# Allegro board LAY-95869_A.brd (continued)
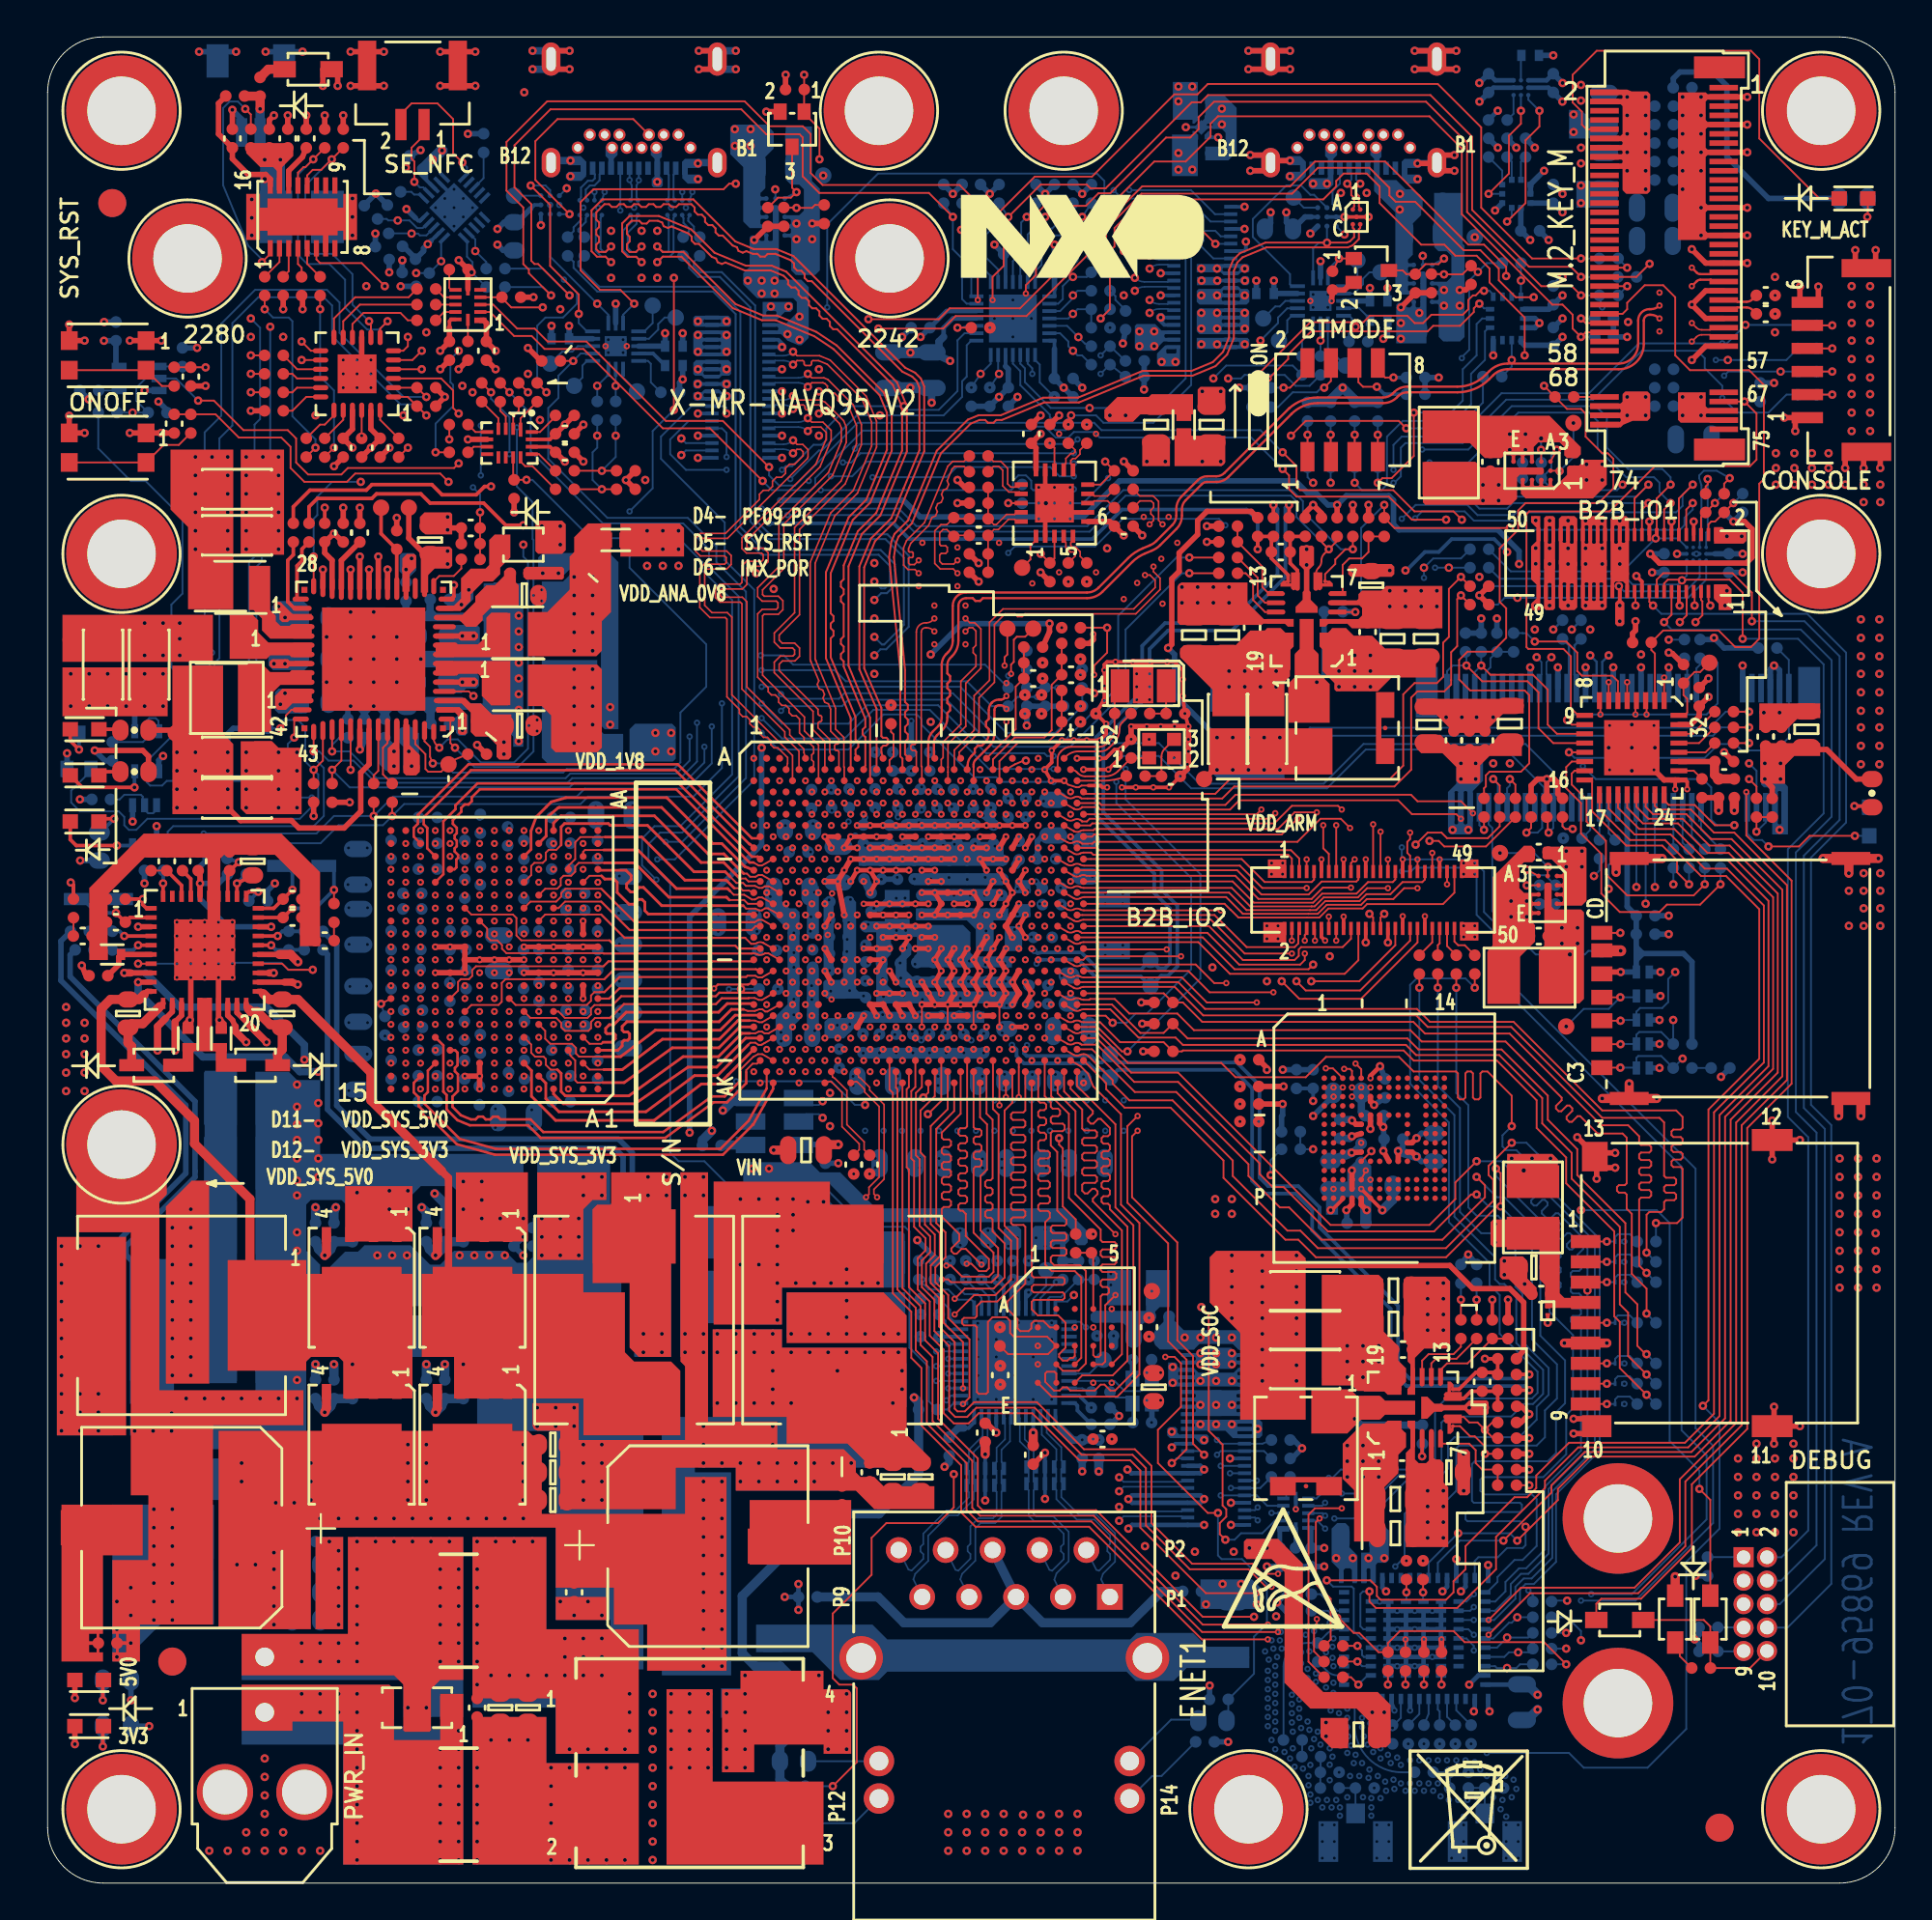
[diagram p0: board, top side]
## Routing (per net, layer and track width the routed paths; a pad name or vN(x,y) marks a point on that pad's centre or on a via; arc(x,y) is an arc through that point) (continued)
SD2_CLK: length 47.6
  TOP w0.102: U12.AB48 55.2,47.89 arc(55.37,47.84) 55.55,47.89 55.55,47.89 arc(55.72,47.94) 55.9,47.89 arc(55.98,47.86) 56.07,47.84 56.38,47.84 56.43,47.89 57.76,47.89 58.55,47.1 61.15,47.1 62.05,46.2 73.76,46.2 74.38,45.58 78.92,45.58 81.95,42.55 81.95,42.4 81.65,42.1 81.65,41.95 81.79,41.81 81.93,41.81 82.24,42.12 82.38,42.12 82.53,41.97 82.53,41.83 82.22,41.52 82.22,41.38 82.37,41.23 82.51,41.23 82.82,41.54 82.96,41.54 83.9,40.6 85.25,40.6 85.47,40.38 85.47,37.91 85.37,37.8 85.05,37.8 84.95,37.7 84.95,37.5 85.05,37.4 85.37,37.4 85.47,37.3 85.47,36.52 85.75,36.25 85.75,33 86.55,32.2 v1(86.55,30.85)
  BOTTOM w0.102: R321.1 87.05,30.35 v1(86.55,30.85)
SD2_CMD: length 45.8
  TOP w0.102: v1(86.55,33.05) 86.15,33.45 86.15,37.03 86.25,37.13 86.7,37.13 86.8,37.23 86.8,37.44 86.7,37.54 86.25,37.54 86.15,37.64 86.15,37.84 86.25,37.95 86.7,37.95 86.8,38.05 86.8,38.25 86.7,38.35 86.25,38.35 86.15,38.45 86.15,38.66 86.25,38.76 86.7,38.76 86.8,38.86 86.8,39.06 86.7,39.17 86.25,39.17 86.15,39.27 86.15,39.47 86.25,39.57 86.7,39.57 86.8,39.67 86.8,39.88 86.7,39.98 86.25,39.98 86.15,40.08 86.15,40.45 85.55,41.05 84.1,41.05 79.13,46.02 74.56,46.02 73.92,46.65 62.5,46.65 61.45,47.7 R288.2 60.41,48.19 U12.AB52
  BOTTOM w0.102: R311.1 87.05,32.55 v1(86.55,33.05)
SD2_DATA0: length 44.9
  TOP w0.102: v1(86.55,28.65) 86.5,28.65 86.05,29.1 86.05,31.35 85.4,32 85.4,35.75 82.8,38.35 82.8,39.75 81.2,41.35 81.2,42.65 78.7,45.15 74.2,45.15 73.6,45.75 61.71,45.75 R290.2 60.41,46.05 59.15,46.05 57.61,47.59 U12.AC51
  BOTTOM w0.102: R326.1 87.05,28.15 v1(86.55,28.65)
SD2_DATA1: length 46
  TOP w0.102: U12.AC49 55.55,47.28 arc(55.71,47.24) 55.88,47.28 55.9,47.28 arc(55.98,47.32) 56.07,47.33 56.31,47.33 56.31,47.33 57.52,47.33 59.05,45.8 61.05,45.8 61.45,45.4 73.53,45.4 74.08,44.85 78.58,44.85 80.9,42.52 80.9,41.15 82.5,39.55 82.5,38.15 85.1,35.55 85.1,31.35 85.55,30.9 85.55,28.55 v1(86.55,27.55)
  BOTTOM w0.102: R327.1 87.05,27.05 v1(86.55,27.55)
SD2_DATA2: length 46.7
  TOP w0.102: U12.AA51 56.04,48.8 61.2,48.8 62.65,47.35 74.12,47.35 74.82,46.65 79.35,46.65 84.15,41.85 88.15,41.85 88.5,41.5 88.5,40.92 88.4,40.82 88,40.82 87.9,40.72 87.9,40.51 88,40.41 88.4,40.41 88.5,40.31 88.5,40.11 88.4,40 88,40 87.9,39.9 87.9,39.7 88,39.6 88.4,39.6 88.5,39.5 88.5,39.29 88.4,39.19 88,39.19 87.9,39.09 87.9,38.89 88,38.78 88.4,38.78 88.5,38.68 88.5,36.05 88.2,35.75 v1(87.06,35.75)
  BOTTOM w0.102: R304.1 v1(87.06,35.75)
SD2_DATA3: length 46.3
  TOP w0.102: v1(86.55,34.15) 86.55,36.2 86.7,36.35 87.35,36.35 87.5,36.5 87.5,36.89 87.6,36.99 88.05,36.99 88.15,37.09 88.15,37.29 88.05,37.4 87.6,37.4 87.5,37.5 87.5,37.7 87.6,37.8 88.05,37.8 88.15,37.9 88.15,38.11 88.05,38.21 87.6,38.21 87.5,38.31 87.5,41.2 87.25,41.45 84.15,41.45 79.23,46.37 74.71,46.37 74.08,47 62.55,47 61.01,48.54 56.07,48.54 arc(55.98,48.53) 55.9,48.5 55.88,48.49 arc(55.71,48.45) 55.55,48.5 U12.AA49
  BOTTOM w0.102: R310.1 87.05,33.65 v1(86.55,34.15)
SD2_RESET_B: length 71.2
  TOP w0.102: v1(57.65,46.6) 57.27,46.98 U12.AD52 ; R108.2 v1(15.4,60.3) 15.9,60.8 15.9,62.48
  L3_IN1 w0.102: v9(35.55,61.55) 37.9,61.55 v9(38.65,62.3)
  L4_GND2 w0.3: v9(38.65,62.3) v6(39.05,62.3) ; v9(35.55,61.55) v6(35.55,61.15)
  L7_GND3 w0.3: v9(38.65,62.3) v6(39.05,62.3) ; v9(35.55,61.55) v6(35.55,61.15)
  L8_IN2 w0.102: v3(57.85,59.65) v3(54.45,59.65)
  BOTTOM w0.102: v3(54.45,59.65) 51.6,59.65 51.35,59.9 50.15,59.9 47.3,62.75 47.3,63.05 47.05,63.3 45.25,63.3 43.35,61.4 39.55,61.4 v9(38.65,62.3) ; v1(15.4,60.3) 16.35,59.35 28.25,59.35 28.5,59.6 34.45,59.6 35.55,60.7 v9(35.55,61.55) ; v3(57.85,59.65) 57.85,58.5 61.9,54.45 61.9,49.5 59.5,47.1 58.9,47.1 58.4,46.6 v1(57.65,46.6)
SD2_VSEL: length 74.3
  TOP w0.102: U12.AE51 56.82,46.38 58.15,45.05 v1(58.45,45.05) ; 15.4,62.48 v1(15.4,61.3)
  L3_IN1 w0.102: v9(38.65,63.1) 35.9,63.1 35.55,62.75 35.55,62.5 35.15,62.1 v9(34.75,62.1)
  L4_GND2 w0.3: v9(34.75,62.1) v6(34.75,61.7) ; v9(38.65,63.1) v6(39.05,63.1)
  L7_GND3 w0.3: v9(34.75,62.1) v6(34.75,61.7) ; v9(38.65,63.1) v6(39.05,63.1)
  L8_IN2 w0.102: v3(58.35,60.35) v3(54.45,60.35)
  BOTTOM w0.102: R257.1 15.79,62.04 15.4,61.65 v1(15.4,61.3) 16.35,61.3 17.8,59.85 28.04,59.85 28.29,60.1 34.05,60.1 34.75,60.8 v9(34.75,62.1) ; v9(38.65,63.1) 39.75,62 43.15,62 44.7,63.55 47.75,63.55 50.95,60.35 v3(54.45,60.35) ; v3(58.35,60.35) 58.35,58.7 62.4,54.65 62.4,49 v1(58.45,45.05)
SD3_CLK: length 65.9
  TOP w0.102: v1(77.35,38.25) 77.8,37.8 77.8,37.15 75.5,34.85 68.95,34.85 67.2,36.6 66.7,36.6 65,38.3 65,38.94 61.09,42.85 58.85,42.85 56.54,45.16 U12.AG51
  BOTTOM w0.102: v1(77.35,38.25) 78.45,37.15 78.85,37.15 81.3,34.7 81.3,34.32 81.4,34.22 81.8,34.22 81.9,34.12 81.9,33.92 81.8,33.82 81.4,33.82 81.3,33.71 81.3,33.51 81.4,33.41 81.8,33.41 81.9,33.31 81.9,33.11 81.8,33 81.4,33 81.3,32.9 81.3,32.7 81.4,32.6 81.8,32.6 81.9,32.5 81.9,32.29 81.8,32.19 81.4,32.19 81.3,32.09 81.3,31.89 81.4,31.78 81.8,31.78 81.9,31.68 81.9,31.48 81.8,31.38 81.4,31.38 81.3,31.28 81.3,30.95 82.57,29.68 82.57,25.72 82.2,25.35 82.2,23.23 80.96,21.99 77.69,21.99 77.55,21.85 77.55,21.25 77.75,21.05 80.35,21.05 80.6,20.8 80.6,18.26 79.84,17.5 79.4,17.5 78.48,16.58 78.48,16.32 77.92,15.75 U36.44
SD3_CMD: length 66.5
  TOP w0.102: v1(77.35,37.3) 77.05,37.3 75.05,35.3 69.3,35.3 66.9,37.7 66.31,37.7 65.6,38.41 65.6,38.99 61.2,43.39 58.82,43.39 56.8,45.41 55.97,45.41 arc(55.93,45.44) 55.9,45.47 arc(55.72,45.51) 55.55,45.47 arc(55.37,45.42) 55.2,45.47 U12.AF48
  BOTTOM w0.102: v1(77.35,37.3) 78,36.65 v2(78.65,36.65) 80.8,34.5 80.8,29.65 82.14,28.31 82.14,25.99 81.65,25.5 81.65,23.29 81.21,22.85 77.25,22.85 77.1,22.7 77.1,20.7 77.2,20.6 79.7,20.6 79.8,20.5 79.8,20.2 79.7,20.1 76.85,20.1 76.75,20 76.75,19.7 76.85,19.6 79.7,19.6 v2(80,19.3) 80,18.3 79.85,18.15 79,18.15 78.5,17.65 77.45,17.65 77.25,17.45 U36.42
SD3_DATA0: length 65
  TOP w0.102: U12.AG49 55.55,44.86 arc(55.72,44.81) 55.9,44.86 arc(55.98,44.89) 56.07,44.9 arc(56.23,44.87) 56.36,44.78 57.65,43.49 57.65,43.3 58.55,42.4 60.89,42.4 64.15,39.14 64.15,38.3 67.11,35.34 67.81,35.34 68.76,34.39 75.69,34.39 78.25,36.95 78.25,38.1 78,38.35 78,38.85 v1(79.25,40.1)
  BOTTOM w0.102: U36.48 78.25,13.75 79.7,15.2 79.7,15.9 80,16.2 80.45,16.2 81.65,17.4 81.65,21.06 84.01,23.42 84.01,34.89 80.75,38.15 80.75,39.4 80.05,40.1 v1(79.25,40.1)
SD3_DATA1: length 65.5
  TOP w0.102: U12.AH52 57.3,43.33 57.3,43 58.3,42 60.79,42 63.65,39.14 63.65,38.2 67,34.85 67.7,34.85 68.65,33.9 75.7,33.9 78.65,36.85 78.65,38.45 v1(78.4,38.7)
  BOTTOM w0.102: U36.45 78.36,15.25 78.91,15.8 78.91,16.31 79.65,17.05 80.03,17.05 81.05,18.07 81.05,21.47 83,23.42 83,30.21 82.9,30.31 82.55,30.31 82.45,30.41 82.45,30.62 82.55,30.72 82.9,30.72 83,30.82 83,31.02 82.9,31.12 82.55,31.12 82.45,31.23 82.45,31.43 82.55,31.53 82.9,31.53 83,31.63 83,31.84 82.9,31.94 82.55,31.94 82.45,32.04 82.45,32.24 82.55,32.34 82.9,32.34 83,32.45 83,32.65 82.9,32.75 82.55,32.75 82.45,32.85 82.45,33.05 82.55,33.16 82.9,33.16 83,33.26 83,33.7 82.81,33.89 82.81,34.03 83.12,34.34 83.12,34.48 82.97,34.63 82.83,34.63 82.52,34.32 82.38,34.32 82.23,34.47 82.23,34.61 82.54,34.92 82.54,35.06 82.4,35.2 82.25,35.2 81.95,34.9 81.8,34.9 81.66,35.04 81.66,35.18 81.97,35.49 81.97,35.63 81.82,35.78 81.68,35.78 81.37,35.47 81.23,35.47 78.4,38.3 v1(78.4,38.7)
SD3_DATA2: length 66.2
  TOP w0.102: v1(79.25,41) 79.25,42.65 77.94,43.96 77.66,43.96 77.56,43.86 77.56,42.55 77.46,42.45 77.25,42.45 77.15,42.55 77.15,43.86 77.05,43.96 76.85,43.96 76.74,43.86 76.74,42.55 76.64,42.45 76.44,42.45 76.34,42.55 76.34,43.86 76.24,43.96 73.94,43.96 73.15,44.75 69.2,44.75 68.1,43.65 64.3,43.65 63.52,44.43 58.48,44.43 56.78,46.12 56.07,46.12 arc(55.98,46.11) 55.9,46.07 arc(55.73,46.03) 55.55,46.07 55.55,46.07 U12.AE49
  BOTTOM w0.102: v1(79.25,41) 78.75,40.5 78.75,39.9 78.95,39.7 79.5,39.7 79.9,39.3 v2(79.9,38.6) 83.75,34.75 83.75,23.52 81.45,21.22 81.45,17.62 80.33,16.5 79.9,16.5 79.45,16.05 79.45,15.4 78.3,14.25 U36.47
SD3_DATA3: length 62.2
  TOP w0.102: U12.AF52 56.39,45.77 56.78,45.77 58.65,43.9 61.19,43.9 69.44,35.65 74.8,35.65 76.2,37.05 76.2,37.95 v1(77.35,39.1)
  BOTTOM w0.102: v1(77.35,39.1) 78.7,39.1 79,38.8 79.25,38.8 79.46,38.59 79.46,38.44 79.16,38.14 79.16,37.99 79.3,37.85 79.44,37.85 79.75,38.16 79.89,38.16 80.04,38.01 80.04,37.87 79.73,37.56 79.73,37.42 79.88,37.27 80.02,37.27 80.33,37.58 80.47,37.58 80.61,37.44 80.61,37.29 80.31,36.99 80.31,36.84 80.45,36.7 80.59,36.7 80.9,37.01 81.04,37.01 81.19,36.86 81.19,36.72 80.88,36.41 80.88,36.27 81.18,35.97 81.32,35.97 81.63,36.28 81.77,36.28 83.35,34.7 v2(83.35,32.1) 83.35,23.45 81.25,21.35 81.25,17.85 80.15,16.75 79.75,16.75 79.2,16.2 79.2,15.6 78.35,14.75 U36.46
SE051_LA: length 4.5
  TOP w0.102: J10.1 20.38,94.67 19.7,94 19.7,93.4 19.85,93.25 v1(19.85,92.15)
  BOTTOM w0.102: U25.17 20.33,91.85 20.15,91.85 v1(19.85,92.15)
SE051_LB: length 7.5
  TOP w0.102: J10.2 19.12,95.83 19.7,96.4 21.1,96.4 21.95,95.55 21.95,93.7 v1(22.45,93.2)
  BOTTOM w0.102: U25.1 22.52,92.42 22.7,92.6 22.7,92.95 v1(22.45,93.2)
SE_ENABLE: length 53.9
  L3_IN1 w0.102: v7(19.4,81.2) 19.4,82.9 19.95,83.45 v1(19.95,87.21)
  L4_GND2 w0.3: v7(19.4,81.2) v6(19,81.2)
  L7_GND3 w0.3: v7(19.4,81.2) v6(19,81.2)
  L8_IN2 w0.102: v3(53.3,81.75) 53.3,80.25 52.85,79.8 50.4,79.8 47.85,82.35 46.55,82.35 45.15,83.75 43.2,83.75 39.45,87.5 37.8,87.5 35.35,85.05 33.7,85.05 32.35,83.7 32.35,82.8 30.7,81.15 27.7,81.15 26.6,82.25 25.65,82.25 24.95,81.55 21.1,81.55 20.75,81.2 v7(19.4,81.2)
  BOTTOM w0.102: U25.11 21.48,89.08 21.3,88.9 v2(21.3,87.85) R193.2 v1(19.95,87.21) ; v3(53.3,81.75) 53.3,82.05 53.05,82.3 U31.9
SE_SMBUS_CLK: length 48
  TOP w0.102: v1(27.25,86) 26.05,87.2 26.05,87.39 25.75,87.7 25.75,90.76 24.84,91.67 24.84,94.31 27.04,96.51 37.73,96.51 39.08,95.16 40.88,95.16 41.3,94.74 41.3,92.63 41.95,91.98 49.36,91.98 50,91.34 v1(50,90.25)
  BOTTOM w0.102: R194.1 26.8,86.45 v1(27.25,86) ; R182.2 v1(50,90.25) 50,86 50.05,85.95 U31.21
SE_SMBUS_DATA: length 48.2
  TOP w0.102: v1(49,90.25) 47.7,91.55 41.77,91.55 40.87,92.45 40.87,94.56 40.7,94.73 38.9,94.73 37.55,96.08 27.22,96.08 25.27,94.13 25.27,91.85 26.18,90.94 26.18,87.88 26.36,87.7 26.55,87.7 v1(28.25,86)
  BOTTOM w0.102: v1(28.25,86) 26.8,87.45 R190.1 ; R183.2 v1(49,90.25) 49,88.5 49.5,88 49.5,85.8 49.75,85.55 U31.20
SIM_DETECT: length 12.7
  BOTTOM w0.102: R282.2 83.61,50.44 83.56,50.49 83.4,50.49 83.21,50.3 v2(82.4,50.3) 80.55,50.3 78.2,52.65 78.2,57.15 78,57.35 J16.66
SOC_ETH_RX0_N: length 5.1
  TOP w0.089: C79.1 43.93,39.73 43.93,40.04 43,40.97 43,42.82 42.44,43.38 42.37,43.42 U12.AK12
SOC_ETH_RX0_P: length 5.4
  TOP w0.089: U12.AJ13 42.5,43.66 42.61,43.59 43.27,42.93 43.27,41.08 44.2,40.15 44.2,39.73 C80.1
SPI1_IMU1_PCS0/BT_MODE2: length 50.4
  TOP w0.102: v7(68.7,58) 67.5,58 66.6,57.1 56.68,57.1 56.61,57.03 56.07,57.03 arc(55.98,57.02) 55.9,56.98 arc(55.73,56.94) 55.55,56.98 55.55,56.98 U12.G49
  L4_GND2 w0.3: v7(68.7,58) v6(68.7,58.4)
  L7_GND3 w0.3: v6(68.7,58.4) v7(68.7,58)
  L8_IN2 w0.102: v1(70.75,75.85) 70.2,75.3 69.75,75.3 69.4,74.95 69.4,74.25 67.75,72.6 67.75,63.95 69,62.7 69,58.3 v7(68.7,58)
  BOTTOM w0.102: U30.12 78,84.25 77.8,84.05 77.8,82.5 77.05,81.75 77.05,80.1 76.15,79.2 73.35,79.2 72.5,78.35 72.5,75.75 72.2,75.45 71.15,75.45 v1(70.75,75.85) R234.2
SPI1_IMU1_SCK/BT_MODE3: length 57.9
  TOP w0.102: v1(72,75.85) 72.25,76.1 72.75,76.1 73.95,77.3 v1(73.95,79.65) ; v7(70.5,57.15) 70,57.65 68.9,57.65 67.65,56.4 56.65,56.4 56.55,56.3 55.99,56.3 55.97,56.32 arc(55.93,56.35) 55.9,56.38 arc(55.72,56.42) 55.55,56.38 arc(55.37,56.33) 55.2,56.38 54.67,56.68
  L4_GND2 w0.3: v7(70.5,57.15) v6(70.5,57.55)
  L7_GND3 w0.3: v6(70.5,57.55) v7(70.5,57.15)
  L8_IN2 w0.102: v7(70.5,57.15) 70.5,58.3 70.48,58.32 70.48,58.33 70.05,58.76 70.05,63.35 69.09,64.31 69.09,70.36 69.8,71.07 69.8,72.65 70.95,73.8 72.65,73.8 74.3,75.45 74.3,77.1 73.97,77.43 73.97,79.63 v1(73.95,79.65)
  BOTTOM w0.102: v1(73.95,79.65) 75.95,79.65 76.6,80.3 76.6,82 77.35,82.75 77.35,84.45 77.65,84.75 U30.13 ; R235.2 v1(72,75.85)
SPI1_IMU1_SIN: length 66.8
  TOP w0.102: U12.G51 56.44,57.29 56.55,57.4 66.4,57.4 67.35,58.35 69.85,58.35 v7(70.05,58.15) ; v7(65.3,81.5) 68.35,84.55 71.22,84.55 71.58,84.9 73.6,84.9 74,84.5 74.45,84.5 74.9,84.95 76.6,84.95 76.9,85.25 76.9,85.75 77.15,86 77.3,86 77.55,86.25 v1(77.75,86.25)
  L4_GND2 w0.3: v7(70.05,58.15) v6(70.05,58.55) ; v7(65.3,81.5) v6(65.3,81.1)
  L7_GND3 w0.3: v7(65.3,81.5) v6(65.3,81.1) ; v6(70.05,58.55) v7(70.05,58.15)
  L8_IN2 w0.102: v7(70.05,58.15) 69.6,58.6 69.6,63.1 68.3,64.4 68.3,70.32 68.9,70.92 68.9,72.45 70.7,74.25 72.55,74.25 73.87,75.57 73.87,76.88 72.97,77.78 72.97,79.33 70.85,81.45 68.35,81.45 67.9,81.9 65.7,81.9 v7(65.3,81.5)
  BOTTOM w0.102: v1(77.75,86.25) 78.05,86.25 78.25,86.05 U30.1
SPI1_IMU1_SOUT: length 62.9
  TOP w0.102: v1(77.5,85.55) 77.45,85.55 77.2,85.3 77.2,85.1 76.45,84.35 75,84.35 74.7,84.05 68.4,84.05 67.15,82.8 67.15,82.55 v7(66.1,81.5) ; 56.07,56.68 56.53,56.68 56.65,56.8 66.8,56.8 v7(67.65,57.65)
  L4_GND2 w0.3: v7(67.65,57.65) v6(67.65,58.05) ; v7(66.1,81.5) v6(66.1,81.1)
  L7_GND3 w0.3: v7(67.65,57.65) v6(67.65,58.05) ; v7(66.1,81.5) v6(66.1,81.1)
  L8_IN2 w0.102: v7(67.65,57.65) 68.85,57.65 69.3,58.1 69.3,62.9 68,64.2 68,70.54 68.6,71.14 68.6,72.75 70.25,74.4 70.25,74.85 70.5,75.1 72.95,75.1 73.5,75.65 73.5,76.8 72.4,77.9 72.4,79.35 71.15,80.6 66.5,80.6 66.1,81 v7(66.1,81.5)
  BOTTOM w0.102: v1(77.5,85.55) 77.75,85.3 78.03,85.3 U30.14
SPI4_PCS0: length 46.7
  TOP w0.102: v1(62.45,31.2) 62.85,30.8 62.85,24.5 63.6,23.75 63.6,20.45 63.8,20.25 63.8,19.85 63.45,19.5 63.45,18.9 v1(63.75,18.6) ; U12.W49 55.55,49.71 arc(55.71,49.66) 55.88,49.7 55.9,49.71 arc(55.98,49.74) 56.07,49.76 62.14,49.76 63.15,48.75 v7(63.8,48.75)
  L4_GND2 w0.3: v7(63.8,48.75) v6(63.4,48.75)
  L7_GND3 w0.3: v7(63.8,48.75) v6(63.4,48.75)
  L8_IN2 w0.102: v1(62.45,31.2) 63.05,31.2 63.7,31.85 64.45,31.85 64.65,32.05 64.65,37.1 63.8,37.95 v7(63.8,48.75)
  BOTTOM w0.102: U37.2 66.44,19.64 65.75,18.95 64.6,18.95 64.25,18.6 v1(63.75,18.6)
SPI4_PCS0_1V8: length 16.9
  L8_IN2 w0.102: v3(77.05,7.54) 77.05,8.7 76.5,9.25 76.5,11.2 74.45,13.25 72.95,13.25 70.2,16 70.2,18.15 v3(69.15,19.2)
  BOTTOM w0.102: U37.10 68.71,19.64 v3(69.15,19.2)
SPI4_PCS1: length 40.9
  L3_IN1 w0.102: v4(53.62,50.01) 54.56,49.07 63.42,49.07 63.6,49.25 v7(64.5,49.25)
  L4_GND2 w0.3: v7(64.5,49.25) v6(64.5,49.65)
  L7_GND3 w0.3: v7(64.5,49.25) v6(64.5,49.65)
  L8_IN2 w0.102: v7(64.5,49.25) 64.5,38.13 65.35,37.28 65.35,30.65 64.5,29.8 64.5,22.7 v3(64,22.2)
  BOTTOM w0.102: J17.15 v3(64,22.2)
SPI4_PCS2: length 44.1
  L3_IN1 w0.102: v7(64,53.1) 63.9,53.1 63.88,53.08 55.92,53.08 55.62,53.38 55,53.38 54.66,53.04 v4(53.97,53.04)
  L4_GND2 w0.3: v7(64,53.1) v6(64,53.5)
  L7_GND3 w0.3: v7(64,53.1) v6(64,53.5)
  L8_IN2 w0.102: v7(64,53.1) 64,49.1 64.2,48.9 64.2,38 65.05,37.15 65.05,30.85 64.3,30.1 64.05,30.1 63.65,29.7 63.65,23.17 63.5,22.81 v3(63.5,22.6)
  BOTTOM w0.102: J17.17 v3(63.5,22.6)
SPI4_SCK: length 43.1
  TOP w0.102: U12.Y52 61.74,49.41 62.9,48.25 v7(66.35,48.25)
  L4_GND2 w0.3: v7(66.35,48.25) v6(65.95,48.25)
  L7_GND3 w0.3: v7(66.35,48.25) v6(65.95,48.25)
  L8_IN2 w0.102: v3(66.25,20.05) 66.25,21 v3(65.45,21.8) 65.8,22.15 65.8,24.25 67.15,25.6 67.15,35.4 66.65,35.9 66.65,38.75 65.55,39.85 65.55,45.1 66.35,45.9 v7(66.35,48.25)
  BOTTOM w0.102: U37.3 66.26,20.04 v3(66.25,20.05) ; J17.13 v3(65.45,21.8)
SPI4_SCK_1V8: length 19.9
  L8_IN2 w0.102: v3(73.65,7.54) 73.99,7.2 75.6,7.2 75.8,7.4 75.8,9.4 74.95,10.25 74.95,11 74.6,11.35 72.85,11.35 71.6,12.6 71.6,13.15 68.7,16.05 68.7,19.03 68.92,19.55 v3(69.15,19.9)
  BOTTOM w0.102: v3(69.15,19.9) 69.01,20.04 U37.9
SPI4_SIN: length 47.8
  L3_IN1 w0.102: v7(64.95,52.6) 64.55,52.2 63.3,52.2 62.74,52.76 55.84,52.76 55.78,52.69 54.8,52.69 54.72,52.77 54.2,52.77 v4(53.62,52.44)
  L4_GND2 w0.3: v7(64.95,52.6) v6(65.35,52.6)
  L7_GND3 w0.3: v7(64.95,52.6) v6(65.35,52.6)
  L8_IN2 w0.102: v7(64.95,52.6) 64.95,48.8 64.8,48.65 64.8,38.25 65.9,37.15 65.9,35.4 66.2,35.1 66.2,26.8 64.75,25.35 64.75,22.1 v3(64.05,21.4)
  BOTTOM w0.102: R369.1 65.64,21.4 J17.11 v3(64.05,21.4)
SPI4_SIN_1V8: length 19.6
  L8_IN2 w0.102: v3(69.15,21.3) 68.66,20.81 67.84,18.83 67.84,13.21 71.35,9.7 74.05,9.7 74.5,9.25 v3(74.5,7.54)
  BOTTOM w0.102: U37.7 68.69,20.84 v3(69.15,21.3)
SPI4_SOUT: length 45.2
  TOP w0.102: U12.Y48 55.2,49.1 arc(55.37,49.06) 55.55,49.1 55.56,49.11 arc(55.73,49.15) 55.9,49.1 arc(55.98,49.07) 56.07,49.06 61.39,49.06 62.75,47.7 v7(65.45,47.7)
  L4_GND2 w0.3: v7(65.45,47.7) v6(65.45,47.3)
  L7_GND3 w0.3: v7(65.45,47.7) v6(65.45,47.3)
  L8_IN2 w0.102: v3(63.5,21) 64.35,21 65.02,21.67 65.02,21.98 65.05,22.01 65.05,25.05 66.65,26.65 66.65,35.25 66.2,35.7 66.2,37.5 65.1,38.6 65.1,47.35 v7(65.45,47.7)
  BOTTOM w0.102: v3(63.5,21) J17.9 65.45,21 66.01,20.44 U37.4
SPI4_SOUT_1V8: length 18.4
  L8_IN2 w0.102: v3(69.15,20.6) 68.69,20.14 68.25,19.08 68.25,14.05 72.1,10.2 74.1,10.2 75.35,8.95 v3(75.35,7.54)
  BOTTOM w0.102: v3(69.15,20.6) 68.99,20.44 U37.8
SYS_RST_B: length 201.4
  TOP w0.102: v1(19.5,77.75) 19,77.25 R46.1 ; v1(27,80.75) 26.5,81.25 R34.1 ; R28.2 C8.1 8.54,82.11 v1(8.55,82.1) ; D10.A 83.83,15.13 84.1,15.4 86.25,15.4 89,18.15 89,21.6 92,24.6 92,40.9 94.4,43.3 94.4,54.3 91.95,56.75 v4(91.95,59.1) ; R99.1 v1(92.1,61.75)
  L3_IN1 w0.102: v1(92.1,61.75) 92.5,61.35 92.5,59.35 92.25,59.1 v4(91.95,59.1) 90.45,59.1 88.45,57.1 88.45,53.9 88.25,53.7 87.85,53.7 87.2,54.35 84.2,54.35 83.7,53.85 81.85,53.85 81.25,54.45 79.55,54.45 79.15,54.85 79.15,58.2 v7(78.93,58.42)
  L4_GND2 w0.3: v7(78.93,58.42) v6(78.93,58.82)
  L7_GND3 w0.3: v7(78.93,58.42) v6(78.93,58.82)
  L8_IN2 w0.102: v1(27,80.75) 26.6,80.75 25.75,79.9 23.8,79.9 22.2,78.3 22.2,77.85 21.4,77.05 20.25,77.05 19.55,77.75 v1(19.5,77.75) 19.5,77.8 18.95,78.35 18.15,78.35 17.6,78.9 16.5,78.9 15.95,78.35 10.5,78.35 9.3,79.55 9.3,81.35 v1(8.55,82.1) ; v7(78.93,58.42) 78.97,58.42 79.9,59.35 79.9,62.65 77.2,65.35 77.2,67.15 76.65,67.7 76.65,69 77,69.35 77,70.95 78.2,72.15 78.2,73.5 79.35,74.65 79.35,76.4 77.55,78.2 77.55,84.5 77.1,84.95 77.1,86.2 76.6,86.7 74.6,86.7 72.45,88.85 70.02,88.85 66.72,92.15 59.62,92.15 58.92,92.85 48.75,92.85 47.1,91.2 40.4,91.2 39.85,90.65 36.75,90.65 36.05,89.95 34.95,89.95 33.25,88.25 29.35,88.25 v3(27.95,86.85)
  BOTTOM w0.102: v3(27.95,86.85) 28.65,86.15 28.65,85.55 27.9,84.8 26.95,84.8 26.5,84.35 26.5,81.25 v1(27,80.75) ; v1(8.55,82.1) 7.34,82.1 R204.2 6.81,82.14 6.8,82.15 U33.1
UART1_RXD: length 72.9
  TOP w0.102: J3.5 89.5,69.5 89.57,69.43 89.57,68.67 v1(89.2,68.3) ; v4(76.5,57.65) 76.25,57.9 73.85,57.9 73.1,58.65 64.5,58.65 64,58.15 56.98,58.15 56.85,58.28 55.99,58.28 55.99,58.28 55.97,58.25 arc(55.93,58.22) 55.9,58.2 arc(55.73,58.15) 55.55,58.19 55.55,58.2 U12.E49
  L3_IN1 w0.102: v4(76.5,57.65) 76.8,57.65 76.9,57.55 77.1,57.55 77.35,57.3 77.35,56.45 77.7,56.1 77.7,54 78.95,52.75 81.1,52.75 v5(81.35,52.5)
  L4_GND2 w0.3: v5(81.35,52.5) v6(81.75,52.5)
  L7_GND3 w0.3: v7(82.15,52.5) v6(81.75,52.5)
  L8_IN2 w0.102: v7(82.15,52.5) 85.3,52.5 86.58,53.77 86.58,61.77 88.5,63.7 88.5,66.2 89.2,66.9 v1(89.2,68.3) 89.6,68.7 89.6,69.65 90.2,70.25 90.2,73.35 89.45,74.1 89.45,78.85 90.3,79.7 90.3,81.2 v3(90.75,81.65)
  BOTTOM w0.102: R209.1 v2(93.8,81.88) 90.97,81.88 v3(90.75,81.65)
UART1_TXD/BT_MODE0: length 79.8
  TOP w0.102: v7(65.7,58.15) 65.44,57.89 U12.F52 ; J3.3 89.9,69.52 89.93,69.37 v1(90,69.2)
  L4_GND2 w0.3: v7(65.7,58.15) v6(65.7,58.55)
  L7_GND3 w0.3: v6(65.7,58.55) v7(65.7,58.15)
  L8_IN2 w0.102: v1(90,69.2) 90,69.65 90.5,70.15 90.5,73.85 89.85,74.5 89.85,75.35 90.3,75.8 90.3,76.25 90.1,76.45 90.1,78.8 90.65,79.35 v3(90.65,80.45) ; v7(65.7,58.15) 66.25,58.7 67.75,58.7 68.4,59.35 68.4,62.3 67.15,63.55 67.15,73.95 67.6,74.4 67.6,74.95 v1(68.5,75.85) 69.65,77 72.9,77 73.2,76.7 73.2,76.2 v3(72.85,75.85)
  BOTTOM w0.102: R218.1 94.12,80.62 93.15,79.65 91.45,79.65 v3(90.65,80.45) 90.65,81.1 89.7,82.05 89.7,82.6 89.3,83 86.3,83 83.65,80.35 78.95,80.35 76.6,78 73.5,78 73.25,77.75 73.25,76.2 72.9,75.85 v3(72.85,75.85) ; R232.2 68.2,76.15 v1(68.5,75.85)
UART2_RXD: length 74.1
  TOP w0.102: v1(88.35,68.3) 88.72,68.67 88.72,69.94 J3.9 ; v4(77.15,57.95) 76.5,58.6 74.15,58.6 73.8,58.95 64.3,58.95 63.75,58.4 57.04,58.4 56.94,58.5 U12.E51
  L3_IN1 w0.102: v4(77.15,57.95) 78.15,57.95 78.55,57.55 78.55,56.5 78.15,56.1 78.15,54.9 79.4,53.65 81,53.65 v5(81.35,53.3)
  L4_GND2 w0.3: v5(81.35,53.3) v6(81.75,53.3)
  L7_GND3 w0.3: v7(82.15,53.3) v6(81.75,53.3)
  L8_IN2 w0.102: v7(82.15,53.3) 82.6,52.85 84.9,52.85 85.6,53.55 85.6,54.1 86.2,54.7 86.2,61.94 88.15,63.89 88.15,67 88.35,67.2 v1(88.35,68.3) 88.75,68.7 88.75,70.35 89.59,71.19 89.59,72.16 88.35,73.4 88.35,78.5 88.1,78.75 88.1,80.9 89.7,82.5 v3(90.3,82.5)
  BOTTOM w0.102: R203.1 94.12,82.5 v2(90.95,82.5) v3(90.3,82.5)
UART2_TXD/BT_MODE1: length 80.8
  TOP w0.102: v1(89.15,69.2) 89.15,69.91 J3.7 ; U12.F48 55.2,57.59 arc(55.37,57.54) 55.55,57.59 arc(55.72,57.64) 55.9,57.59 arc(55.93,57.56) 55.97,57.53 55.99,57.51 55.99,57.5 56.25,57.5 56.4,57.65 66.15,57.65 v7(66.45,57.95)
  L4_GND2 w0.3: v7(66.45,57.95) v6(66.45,58.35)
  L7_GND3 w0.3: v6(66.45,58.35) v7(66.45,57.95)
  L8_IN2 w0.102: v3(90.65,83.4) 90.65,82.35 88.97,80.67 88.97,79.03 88.65,78.7 88.65,73.55 89.86,72.34 89.86,70.41 89.15,69.7 v1(89.15,69.2) ; v3(72.85,76.55) 70.15,76.55 v1(69.45,75.85) 68.95,75.35 68.95,74.4 67.45,72.9 67.45,63.75 68.7,62.5 68.7,59.1 67.85,58.25 66.75,58.25 v7(66.45,57.95)
  BOTTOM w0.102: R199.1 94.72,84.4 v2(91.9,84.4) 90.9,83.4 v3(90.65,83.4) 86.13,83.4 83.43,80.7 78.7,80.7 76.35,78.35 73.3,78.35 72.85,77.9 v3(72.85,76.55) ; R233.2 v1(69.45,75.85)
UART4_CTS_B: length 62.8
  TOP w0.102: v4(66.6,16.75) 65.75,16.75 65.2,17.3 61.95,17.3 59.75,19.5 59.75,22.6 58.85,23.5 56.1,23.5 53.55,26.05 50.15,26.05 49.65,25.55 49.25,25.55 49.1,25.7 49.1,29.3 48.25,30.15 48.25,31.7 47.55,32.4 47.55,33.55 48.02,34.02 48.02,35.13 47.49,35.66 47.49,39.34 47.25,39.57 47.25,41.85 48.02,42.62 U12.AJ29 ; v4(69.85,14.4) 70.7,13.55 71,13.55 72.04,12.51 R165.1 72.55,13 73.2,13.65 76.1,13.65 76.7,13.05 81,13.05 v1(82.2,11.85)
  L3_IN1 w0.102: v4(69.85,14.4) 67.5,16.75 v4(66.6,16.75)
  BOTTOM w0.102: R346.1 v1(82.2,11.85)
UART4_RTS_B: length 59.3
  L3_IN1 w0.102: v1(82.2,13.55) 79.45,16.3 77.35,16.3 77,16.65 73.3,16.65 72.75,17.2 72.75,17.8 71.05,19.5 70,19.5 69.35,20.15 69.35,24.1 67.15,26.3 60.65,26.3 60.45,26.5 59.2,26.5 58.95,26.25 57.21,26.25 57.12,26.17 54.08,26.17 52.75,27.5 52.75,29.7 53.25,30.2 53.25,36.1 48.2,41.15 48.2,41.65 47.95,41.9 47.95,42.95 47.34,43.56 47.34,45.14 v4(47.32,45.16)
  BOTTOM w0.102: R343.1 v1(82.2,13.55)
UART4_RXD: length 65.3
  TOP w0.102: v4(66.25,16.05) 65.95,16.05 65,17 61.82,17 59.45,19.37 59.45,22.47 58.72,23.2 55.97,23.2 53.42,25.75 50.27,25.75 49.77,25.25 49.13,25.25 48.8,25.58 48.8,29.1 48,29.9 48,31.6 47.32,32.28 47.32,33.72 47.77,34.17 47.77,35.03 47.2,35.6 47.2,39.22 47,39.42 47,42.8 47.32,43.12 U12.AJ27
  L3_IN1 w0.102: v1(83,13.15) 83,12.8 82.45,12.25 81.95,12.25 81.1,13.1 78.95,13.1 78.1,12.25 72.2,12.25 70.55,13.9 69.8,13.9 67.65,16.05 v4(66.25,16.05)
  BOTTOM w0.102: R341.1 82.25,14.4 83,13.65 v1(83,13.15)
UART4_TXD: length 59.8
  L3_IN1 w0.102: v4(46.62,45.16) 46.62,42.03 52.95,35.7 52.95,30.25 52.53,29.83 52.53,27.17 53.73,25.97 57.21,25.97 57.24,26 58.95,26 59.15,25.8 61.9,25.8 62.2,25.5 67.4,25.5 69.1,23.8 69.1,20 69.9,19.2 70.65,19.2 71.95,17.9 71.95,17.3 72.2,17.05 72.45,17.05 73.25,16.25 76.8,16.25 77.25,15.8 79.1,15.8 v1(82.2,12.7)
  BOTTOM w0.102: R345.1 v1(82.2,12.7)
UIM_CLK: length 20
  TOP w0.102: J5.C3 v1(85.13,44.17)
  L3_IN1 w0.102: v1(88.5,44.66) 88.29,45.16 86.3,47.15 86.3,52.85 v1(86.5,53.05)
  BOTTOM w0.102: J16.32 v1(86.5,53.05) ; v1(85.13,44.17) 85.98,44.17 D22.2 86,44.7 86.1,44.8 87.34,44.8 C341.1 v1(88.5,44.66)
UIM_DATA: length 18.8
  TOP w0.102: J5.C7 v1(85.14,45.44)
  L3_IN1 w0.102: v1(86,53.95) 86.4,53.55 86.75,53.55 87,53.3 87,52.65 86.85,52.5 86.85,47.75 87.2,47.4 87.34,47.4 v1(87.99,46.75)
  BOTTOM w0.102: J16.34 v1(86,53.95) ; v1(85.14,45.44) 85.15,45.45 D21.2 86,45.95 86.15,46.1 87.34,46.1 R289.2 v1(87.99,46.75)
UIM_PWR: length 19.3
  TOP w0.3: J5.C1 84.23,49.35 v1(85.15,49.35)
  BOTTOM w0.3: 85.99,50.7 86.34,50.35 ; 85.99,50.7 C267.1 C261.1 85.5,52.89 J16.36 ; 85.99,50.7 85.99,50 ; 86.34,50.35 88.55,50.35 89.01,49.89 R289.1 ; 86.34,50.35 85.99,50 ; v1(85.15,49.35) D18.2 85.99,49.36 85.99,50
UIM_RESET: length 15.4
  TOP w0.102: J5.C2 v1(85.14,46.71)
  L3_IN1 w0.102: v1(87,53.95) 87.35,53.6 87.35,50.1 v1(88.1,49.35)
  BOTTOM w0.102: v1(88.1,49.35) 87.72,48.97 87.72,47.72 87.4,47.4 86.2,47.4 86,47.2 D20.2 85.18,46.75 v1(85.14,46.71) ; J16.30 v1(87,53.95)
USB1_CONN_DN: length 7.2
  L8_IN2 w0.114: J13.B7 31.59,93.42 31.59,93.29 31.45,93.15 31,93.15 30.6,92.75 30.6,91.61 31,91.21 31.61,91.21 31.91,91.51 31.91,92.14 v3(32,92.23)
  BOTTOM w0.107: J13.A7 v3(32,92.23) 31.88,91.94 31.88,91.32 U23.A1
USB1_CONN_DP: length 7.2
  L8_IN2 w0.114: J13.B6 32.15,93.55 32.25,93.45 32.45,93.45 32.55,93.35 32.55,93.05 32.45,92.95 31.7,92.95 31.58,92.83 31.13,92.83 30.92,92.62 30.92,92.33 31,92.25 31,92.03 30.92,91.95 30.92,91.74 31.13,91.53 31.48,91.53 31.59,91.64 31.59,92.16 v3(31.5,92.25)
  BOTTOM w0.107: J13.A6 v3(31.5,92.25) 31.5,92.23 31.62,91.94 31.62,91.32 U23.A2
USB1_CONN_RX0_N: length 3.7
  L8_IN2 w0.114: J13.B10 29.91,94.11 29.91,93.04 30.02,92.93 30.02,91.86 v3(30.15,91.6)
  BOTTOM w0.107: U24.A1 v3(30.15,91.6)
USB1_CONN_RX0_P: length 3.7
  L8_IN2 w0.114: v3(29.6,91.6) 29.7,91.85 29.7,92.8 29.59,92.91 29.59,94.12 J13.B11
  BOTTOM w0.107: U24.A2 v3(29.6,91.6)
USB1_CONN_RX1_N: length 1.8
  BOTTOM w0.107: U22.A4 33.62,91.32 33.62,92.53 33.5,92.65 J13.A10
USB1_CONN_RX1_P: length 1.8
  BOTTOM w0.107: J13.A11 34,92.65 33.88,92.53 33.88,91.32 U22.A3
USB1_CONN_TX0_N: length 2.3
  BOTTOM w0.107: J13.A3 30,92.68 29.88,92.56 29.88,92.23 29.6,91.95 29.35,91.95 29.13,91.73 29.13,91.32 U24.A3
USB1_CONN_TX0_P: length 2.3
  BOTTOM w0.107: U24.A4 28.87,91.32 28.87,91.84 29.24,92.21 29.49,92.21 29.62,92.34 29.62,92.56 29.5,92.68 J13.A2
USB1_CONN_TX1_N: length 4
  L8_IN2 w0.114: J13.B3 33.59,94.11 33.59,93.34 34.45,92.48 34.45,91.85 v3(34.35,91.6)
  BOTTOM w0.107: U22.A2 v3(34.35,91.6)
USB1_CONN_TX1_P: length 4
  L8_IN2 w0.114: J13.B2 33.91,94.12 33.91,93.47 34.77,92.61 34.77,91.86 v3(34.9,91.6)
  BOTTOM w0.107: U22.A1 v3(34.9,91.6)
USB1_DN: length 46.9
  TOP w0.107: v1(32.15,88.65) 31.85,88.35 31.5,88.35 31.36,88.49 31.36,88.78 31.51,88.92 31.51,89.17 31.36,89.33 31.36,89.79 31.61,90.04 32.02,90.04 32.17,89.89 32.42,89.89 32.58,90.04 33.03,90.04 33.26,89.95 33.34,89.75 33.58,89.65 33.77,89.73 34.69,89.36 34.86,89.18 34.86,88.97 35.04,88.79 35.25,88.79 35.95,88.09 36.18,87.99 36.27,87.8 36.5,87.7 36.69,87.78 37.74,87.35 39.14,87.35 39.84,87.06 40.08,86.82 40.08,86.61 40.26,86.43 40.47,86.43 40.65,86.25 40.65,86.04 40.82,85.86 41.04,85.86 41.21,85.69 41.21,85.48 41.39,85.3 41.6,85.3 41.78,85.12 41.78,84.91 41.95,84.73 42.17,84.73 42.34,84.56 42.34,84.34 42.52,84.17 42.73,84.17 45.76,81.14 46.25,79.95 46.25,77.59 44.85,74.22 43.86,73.22 43.09,71.38 43.09,70.62 42.94,70.47 42.94,70.22 43.09,70.08 43.09,69.83 42.94,69.67 42.94,69.42 43.09,69.28 43.09,67.53 42.94,67.38 42.94,67.12 43.09,66.97 43.09,66.72 42.94,66.58 42.94,66.33 43.09,66.17 43.09,65.9 44.26,63.07 44.26,62.62 44.11,62.48 44.11,62.23 44.26,62.08 44.26,60.54 U12.B18
  BOTTOM w0.107: U23.C1 31.88,90.18 31.88,89.88 31.4,89.4 31.4,88.57 31.62,88.35 31.85,88.35 v1(32.15,88.65)
USB1_DP: length 47.4
  TOP w0.107: U12.C19 44.52,63.12 43.35,65.95 43.35,71.32 44.08,73.08 45.07,74.07 46.51,77.54 46.51,80 45.98,81.29 39.98,87.28 39.2,87.61 37.79,87.61 36.1,88.31 34.83,89.58 33.08,90.3 31.5,90.3 31.1,89.9 31.1,88.38 31.39,88.09 31.86,88.09 v1(32.15,87.8)
  BOTTOM w0.107: U23.C2 31.62,90.18 31.62,89.99 31.14,89.51 31.14,88.46 31.51,88.09 31.86,88.09 v1(32.15,87.8)
USB1_RX0_N: length 50.7
  TOP w0.107: U12.B20 44.87,63.6 43.94,65.74 43.94,71.32 44.57,72.83 45.67,73.93 46.34,75.55 47.19,77.61 47.19,81.01 47.05,81.35 46.8,81.6 46.27,81.87 41.36,86.77 41.15,86.77 40.97,86.95 40.97,87.16 40.8,87.34 40.58,87.34 40.41,87.51 40.41,87.73 40.23,87.9 39.39,88.25 38.98,88.25 38.83,88.1 38.58,88.1 38.42,88.25 38.17,88.25 37.82,88.39 37.63,88.31 37.39,88.41 37.31,88.61 37.08,88.7 36.54,89.24 36.33,89.24 36.15,89.42 36.15,89.63 35.98,89.81 35.76,89.81 35.59,89.98 35.59,90.2 35.41,90.37 35.2,90.37 35.02,90.55 35.02,90.76 34.84,90.94 34.17,90.94 34.02,90.79 33.77,90.79 33.62,90.94 33.34,90.94 33.19,90.79 32.94,90.79 32.79,90.94 32.54,90.94 32.39,90.79 32.14,90.79 31.99,90.94 31.74,90.94 31.59,90.79 31.34,90.79 31.19,90.94 30.94,90.94 30.79,90.79 30.54,90.79 30.39,90.94 30.14,90.94 29.7,90.5 29.7,90.1 29.85,89.95 29.85,89.7 29.7,89.55 29.7,89.3 29.85,89.15 29.85,88.9 29.7,88.75 29.7,88.5 29.85,88.35 30.2,88.35 v1(30.5,88.65)
  BOTTOM w0.107: U24.C1 29.93,90.18 29.93,88.52 30.09,88.36 30.21,88.36 v1(30.5,88.65)
